# Altium PCB PCB1.PcbDoc (part 1 of 4)
Units mil, origin at the board's own origin, x right, y up, seen from the top; angles counter-clockwise.
Board outline 6000 x 4000 mil, 2 copper layers (Top Layer, Bottom Layer); 926 components, 952 nets, 4644 pads, 239 vias.
Unrouted connection lines stored in the file: 3361.
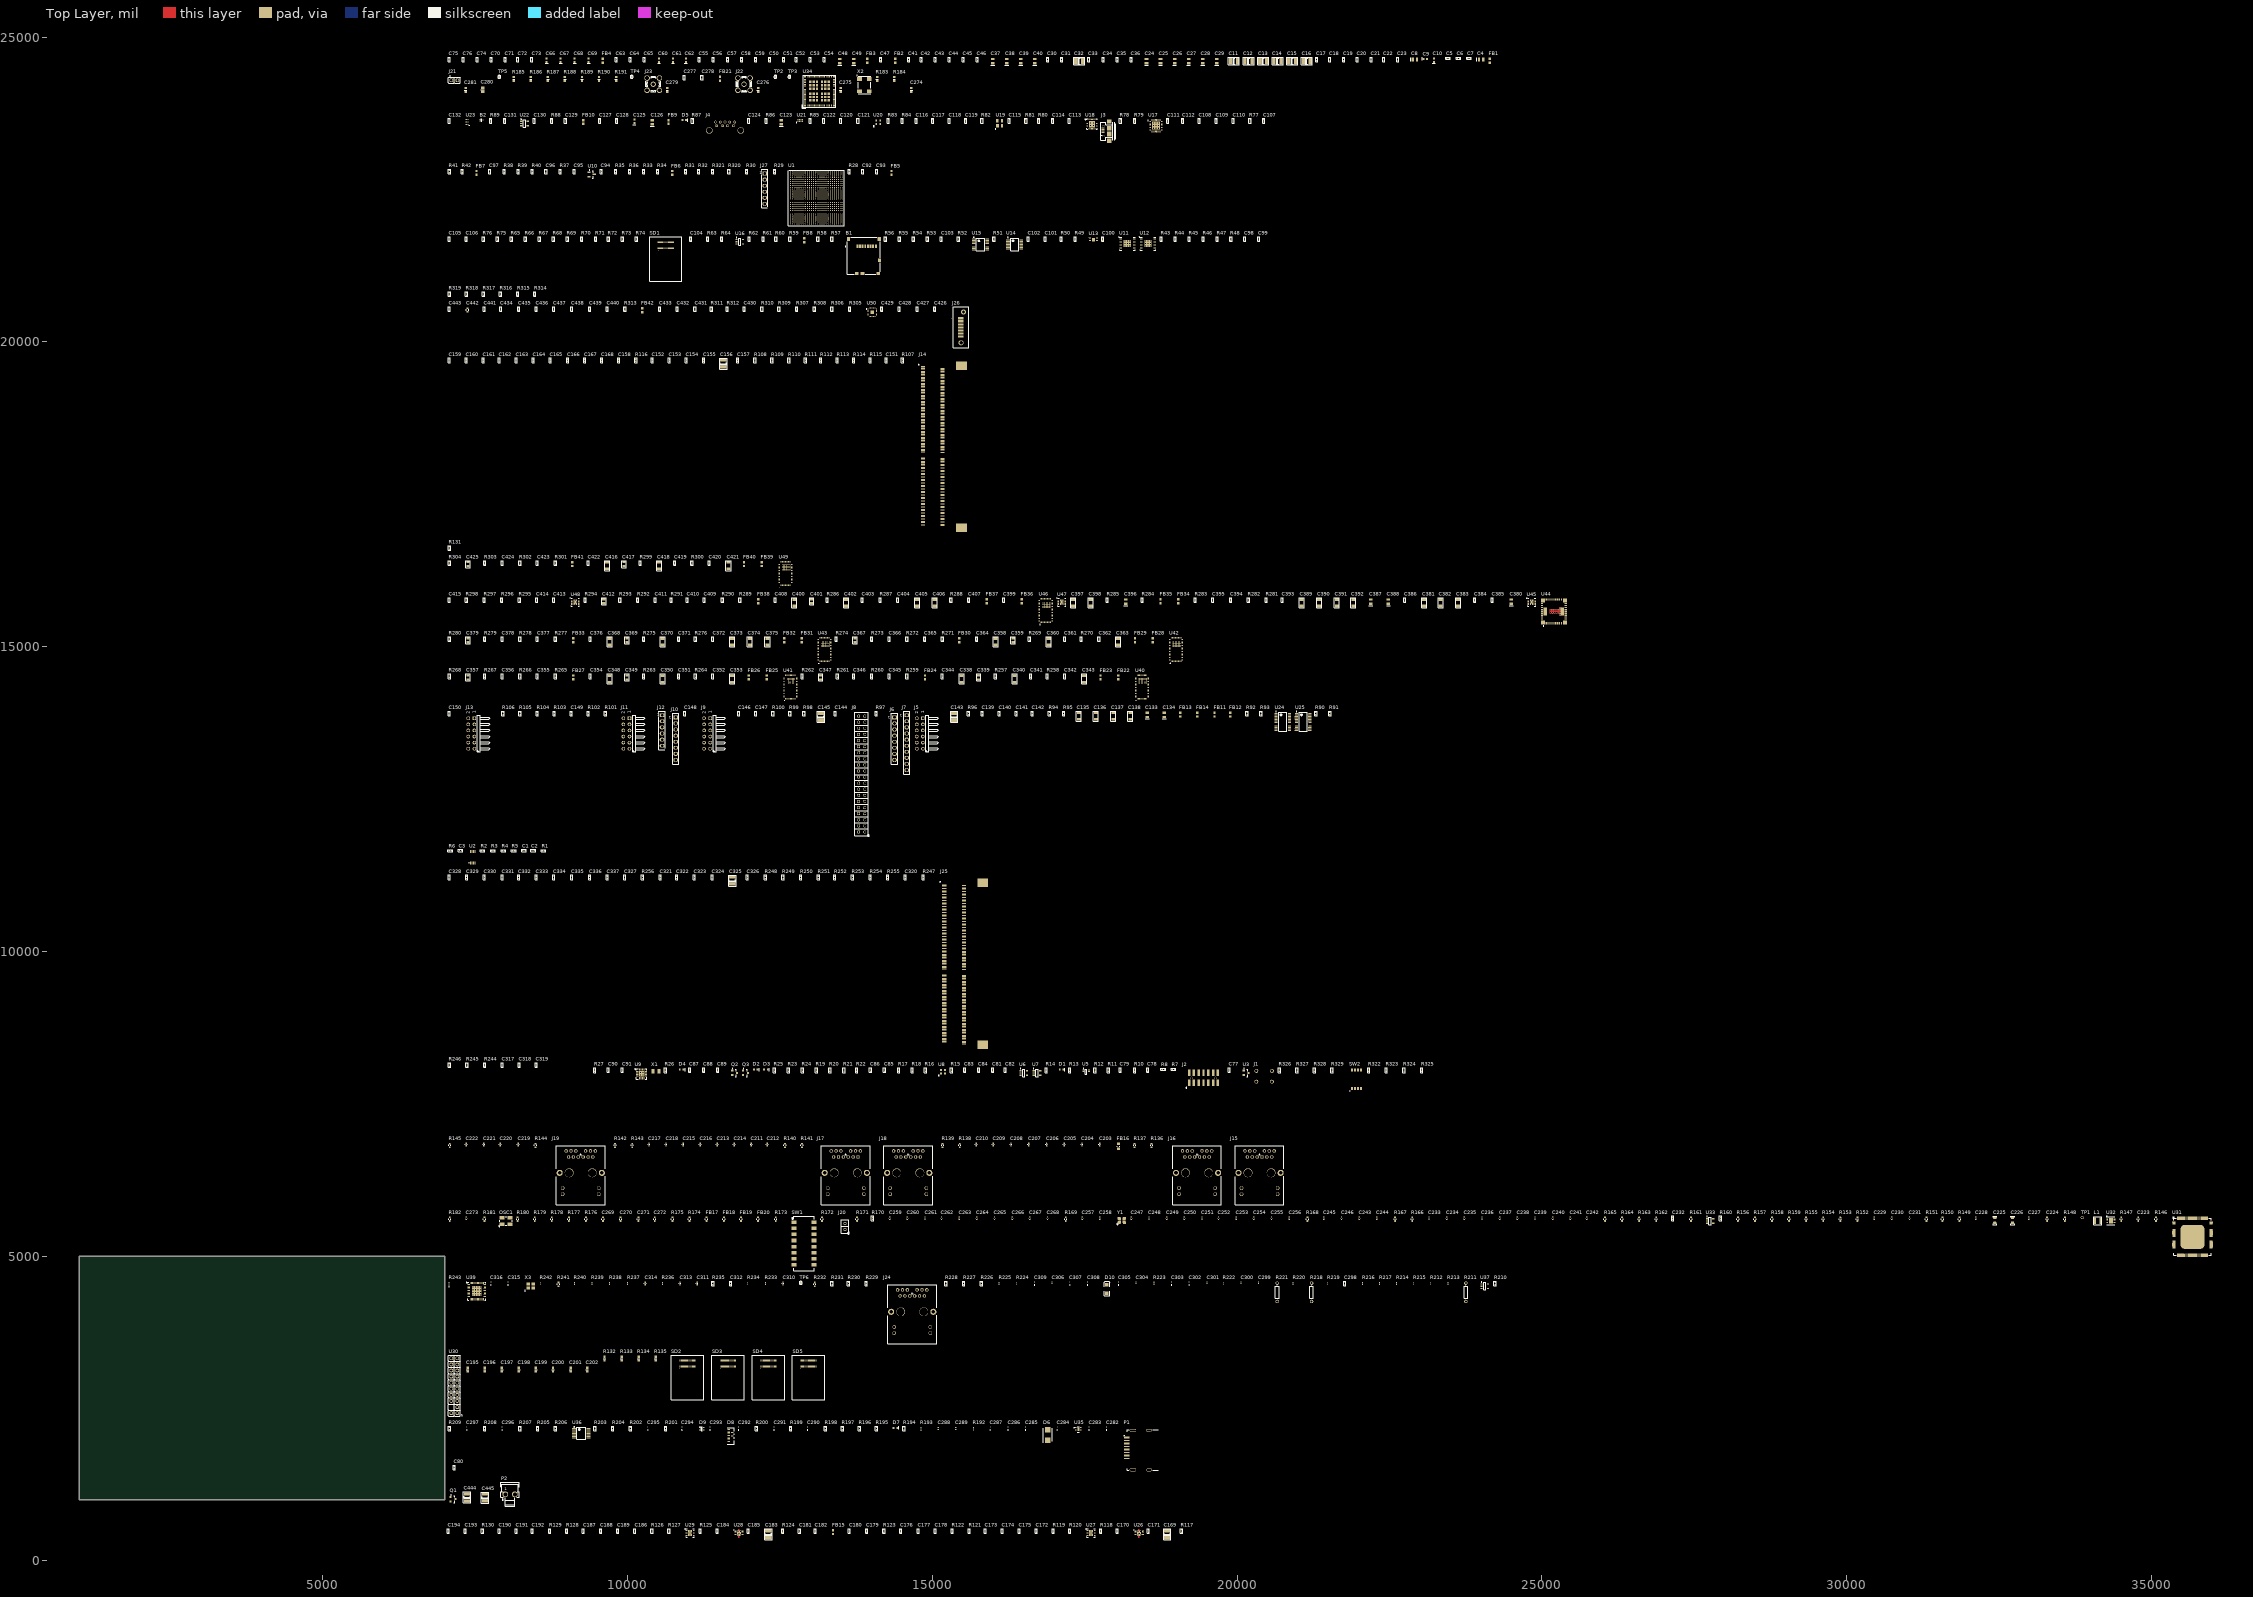
[diagram p0: Top Layer view]
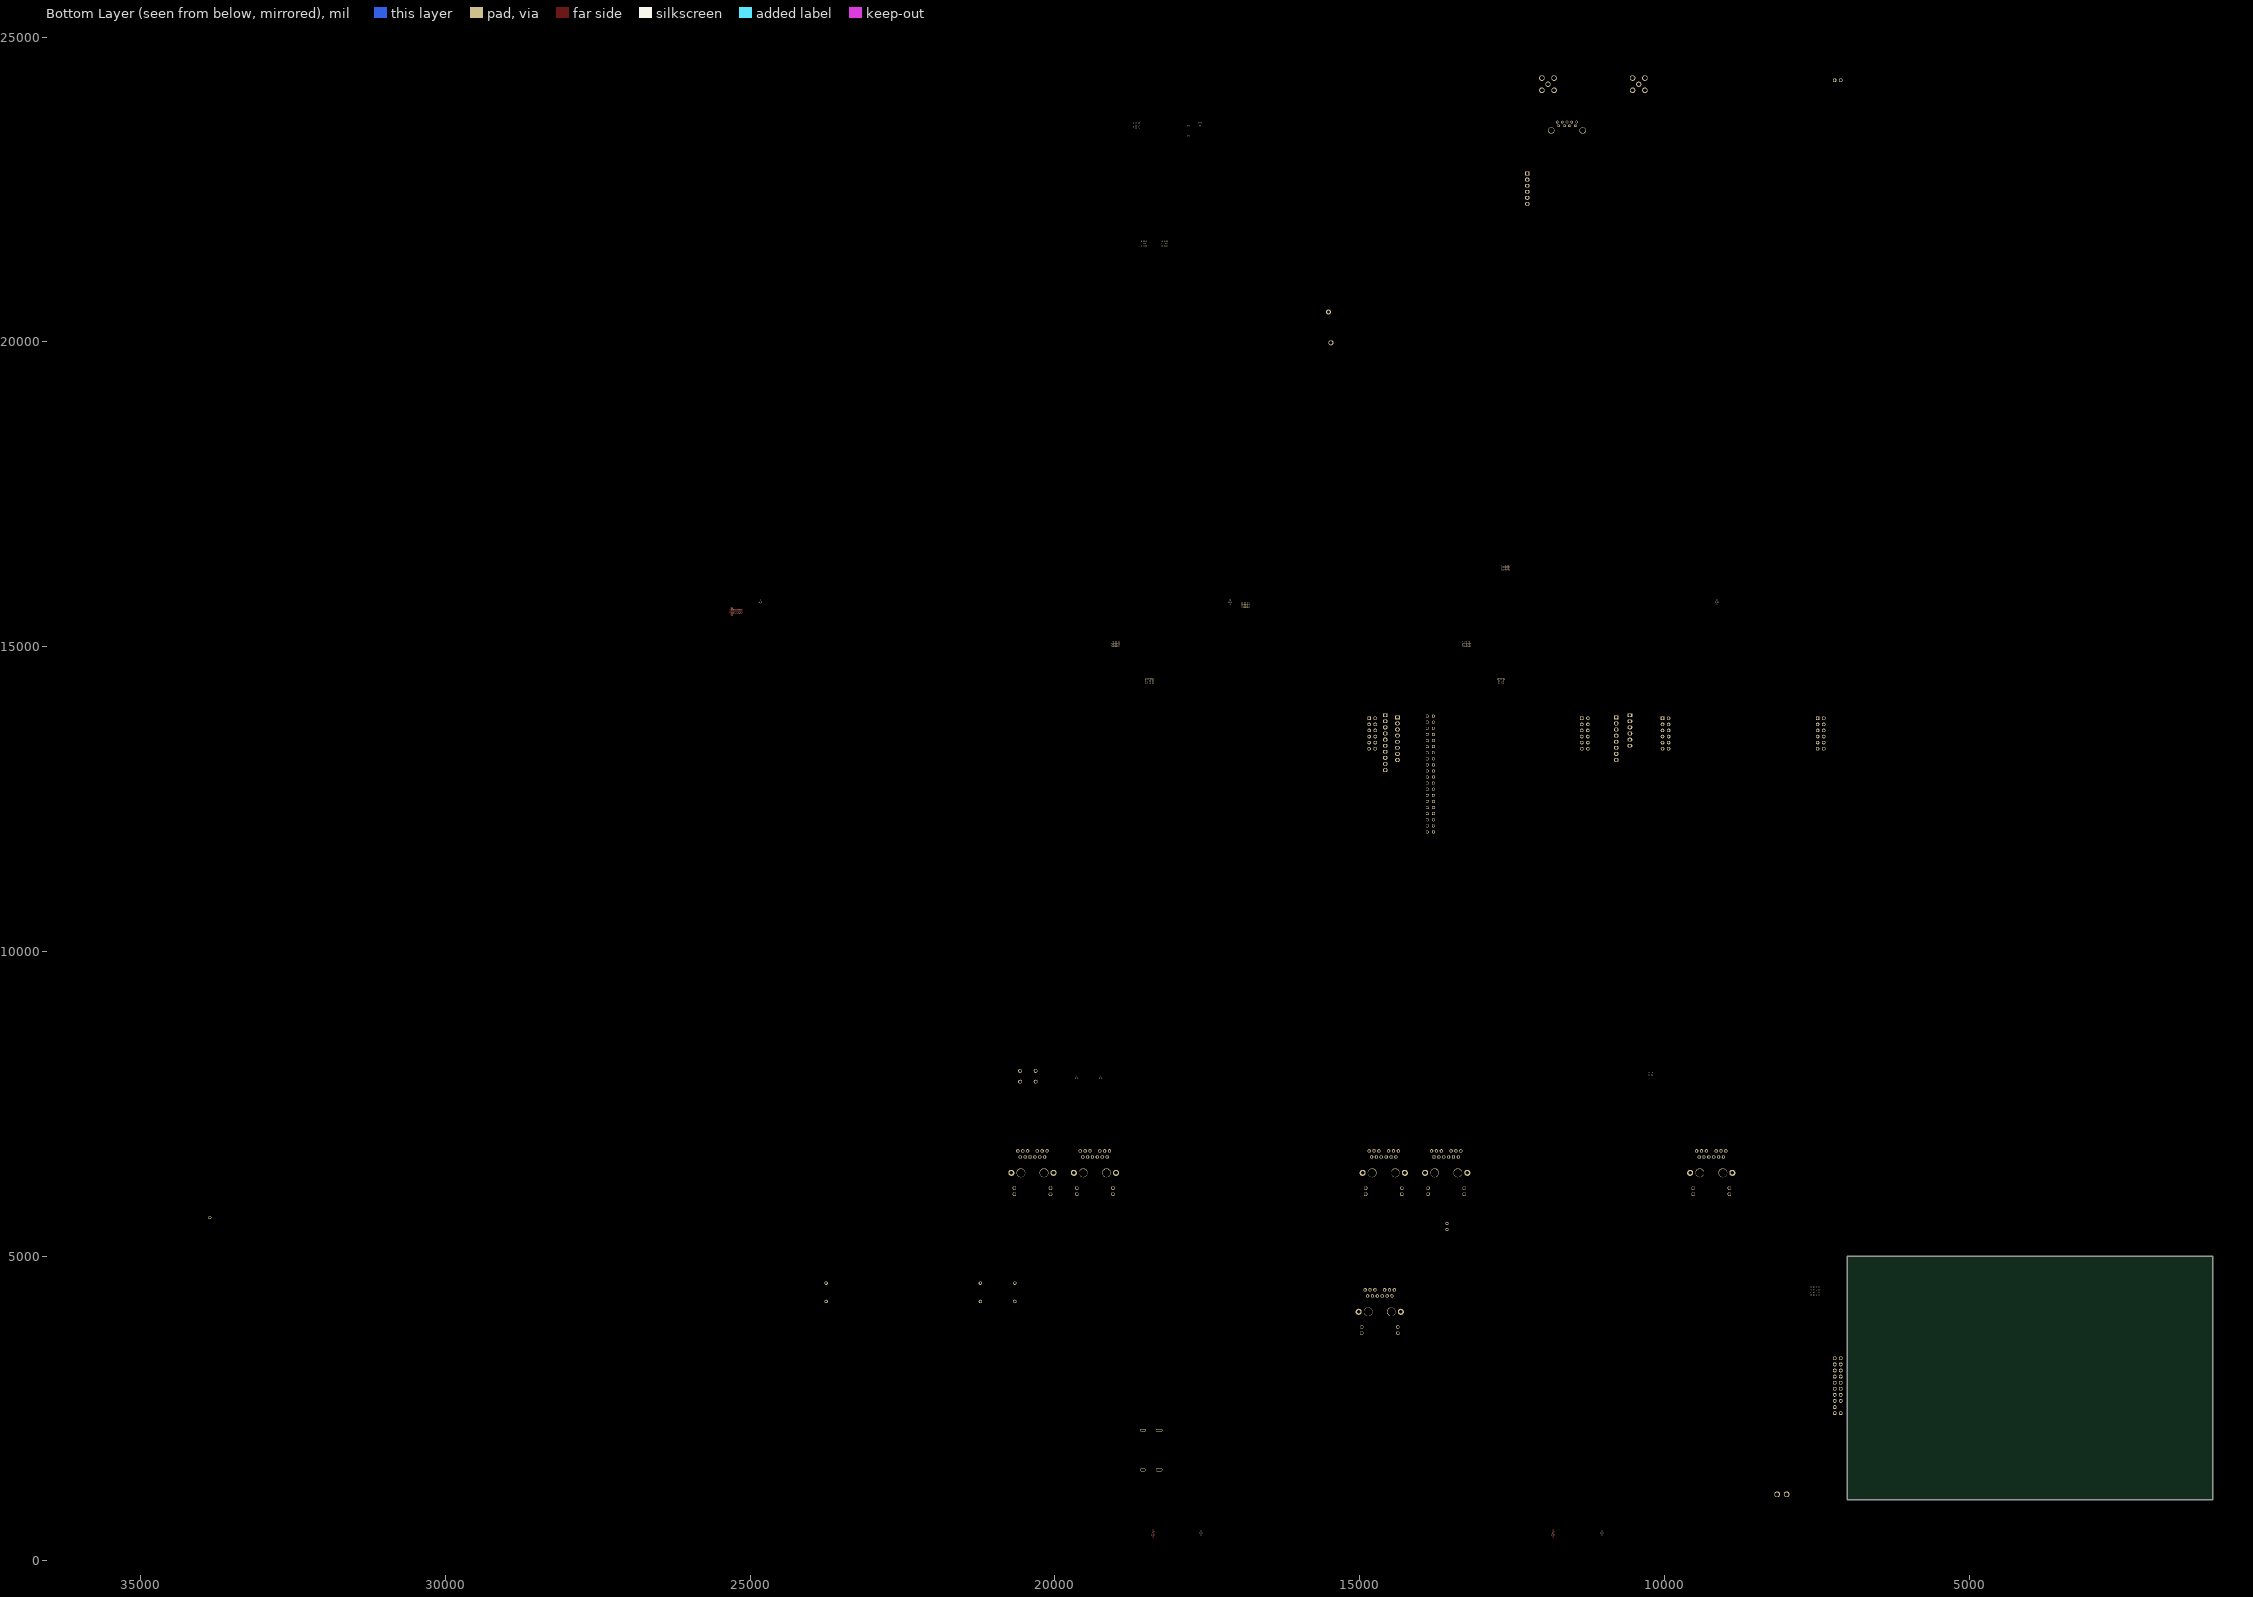
[diagram p1: Bottom Layer view, seen from below]

## Layer stack, top to bottom
Top Solder: solder mask 0.4, Solder Resist, Dk 3.5
Top Layer: signal copper 1.4
Dielectric 1: dielectric 12.6, FR-4, Dk 4.8
Bottom Layer: signal copper 1.4
Bottom Solder: solder mask 0.4, Solder Resist, Dk 3.5

## Board outline
1000,1000 7000,1000 7000,5000 1000,5000

## Design rules (kind name [scope] priority, off if disabled: settings)
Clearance [All] p1: gap=10
DiffPairsRouting [All] p1: maxlimit=10 minlimit=10 mostfreqgap=10 toplayer_minwidth=15 toplayer_maxwidth=15 toplayer_prefwidth=15 bottomlayer_minwidth=15 bottomlayer_maxwidth=15 bottomlayer_prefwidth=15 maxuncoupledlength=500
PolygonConnect [All] p1: connectstyle=Relief reliefconductorwidth=10 reliefentries=4 polygonreliefangle="90 Angle" airgapwidth=10
RoomDefinition JTAG [InComponentClass('JTAG')] p1: confinementstyle=ConfineIn formatcopy=TRUE lockcomponents=FALSE outline 9430,7185 23255,7185 23255,8195 9430,8195
RoomDefinition Zynq_Power [InComponentClass('Zynq_Power')] p2: confinementstyle=ConfineIn formatcopy=TRUE lockcomponents=FALSE outline 7045,24535 24285,24535 24285,24780 7045,24780
RoomDefinition WIFI_BT [InComponentClass('WIFI_BT')] p3: confinementstyle=ConfineIn formatcopy=TRUE lockcomponents=FALSE outline 7045,23825 14870,23825 14870,24485 7045,24485
RoomDefinition USB3.0_UART [InComponentClass('USB3.0_UART')] p4: confinementstyle=ConfineIn formatcopy=TRUE lockcomponents=FALSE outline 7045,22990 20660,22990 20660,23775 7045,23775
RoomDefinition SYSMON [InComponentClass('SYSMON')] p5: confinementstyle=ConfineIn formatcopy=TRUE lockcomponents=FALSE outline 7045,21890 14490,21890 14490,22940 7045,22940
RoomDefinition QSPI_EMMC_MICROSD [InComponentClass('QSPI_EMMC_MICROSD')] p6: confinementstyle=ConfineIn formatcopy=TRUE lockcomponents=FALSE outline 7045,20980 20530,20980 20530,21835 7045,21835
RoomDefinition PS_MIO [InComponentClass('PS_MIO')] p7: confinementstyle=ConfineIn formatcopy=TRUE lockcomponents=FALSE outline 7045,20740 8690,20740 8690,20930 7045,20930
RoomDefinition PS_GTR [InComponentClass('PS_GTR')] p8: confinementstyle=ConfineIn formatcopy=TRUE lockcomponents=FALSE outline 7045,19900 15605,19900 15605,20685 7045,20685
RoomDefinition PS_DDR4_SODIMM [InComponentClass('PS_DDR4_SODIMM')] p9: confinementstyle=ConfineIn formatcopy=TRUE lockcomponents=FALSE outline 7045,16815 15855,16815 15855,19845 7045,19845
RoomDefinition PS_DDR4 [InComponentClass('PS_DDR4')] p10: confinementstyle=ConfineIn formatcopy=TRUE lockcomponents=FALSE outline 7045,16575 7270,16575 7270,16765 7045,16765
RoomDefinition Power4 [InComponentClass('Power4')] p11: confinementstyle=ConfineIn formatcopy=TRUE lockcomponents=FALSE outline 7045,15960 12725,15960 12725,16520 7045,16520
RoomDefinition Power3 [InComponentClass('Power3')] p12: confinementstyle=ConfineIn formatcopy=TRUE lockcomponents=FALSE outline 7045,15320 25430,15320 25430,15910 7045,15910
RoomDefinition Power2 [InComponentClass('Power2')] p13: confinementstyle=ConfineIn formatcopy=TRUE lockcomponents=FALSE outline 7045,14710 19135,14710 19135,15270 7045,15270
RoomDefinition Power1 [InComponentClass('Power1')] p14: confinementstyle=ConfineIn formatcopy=TRUE lockcomponents=FALSE outline 7045,14100 18575,14100 18575,14660 7045,14660
RoomDefinition PMOD_ARD_RASP [InComponentClass('PMOD_ARD_RASP')] p15: confinementstyle=ConfineIn formatcopy=TRUE lockcomponents=FALSE outline 7045,11830 21670,11830 21670,14050 7045,14050
RoomDefinition PL_IO [InComponentClass('PL_IO')] p16: confinementstyle=ConfineIn formatcopy=TRUE lockcomponents=FALSE outline 7045,11410 8690,11410 8690,11780 7045,11780
RoomDefinition PL_DDR4_SODIMM [InComponentClass('PL_DDR4_SODIMM')] p17: confinementstyle=ConfineIn formatcopy=TRUE lockcomponents=FALSE outline 7045,8330 16205,8330 16205,11360 7045,11360
RoomDefinition PL_DDR4 [InComponentClass('PL_DDR4')] p18: confinementstyle=ConfineIn formatcopy=TRUE lockcomponents=FALSE outline 7045,8090 8720,8090 8720,8280 7045,8280
RoomDefinition Eth_Switch_RJ45 [InComponentClass('Eth_Switch_RJ45')] p19: confinementstyle=ConfineIn formatcopy=TRUE lockcomponents=FALSE outline 7045,5815 20865,5815 20865,6975 7045,6975
RoomDefinition Eth_Switch [InComponentClass('Eth_Switch')] p20: confinementstyle=ConfineIn formatcopy=TRUE lockcomponents=FALSE outline 7045,4745 36030,4745 36030,5765 7045,5765
RoomDefinition ETH-PHY [InComponentClass('ETH-PHY')] p21: confinementstyle=ConfineIn formatcopy=TRUE lockcomponents=FALSE outline 7045,3535 24450,3535 24450,4695 7045,4695
RoomDefinition eMMC_TPM [InComponentClass('eMMC_TPM')] p22: confinementstyle=ConfineIn formatcopy=TRUE lockcomponents=FALSE outline 7045,2360 13320,2360 13320,3485 7045,3485
RoomDefinition DisplayPort [InComponentClass('DisplayPort')] p23: confinementstyle=ConfineIn formatcopy=TRUE lockcomponents=FALSE outline 7045,1415 18780,1415 18780,2315 7045,2315
RoomDefinition DDR4_SODIMM_PWR [InComponentClass('DDR4_SODIMM_PWR')] p24: confinementstyle=ConfineIn formatcopy=TRUE lockcomponents=FALSE outline 7030,334.69 19295,334.69 19295,634.68 7030,634.68
RoutingVias [All] p1: holewidth=28 width=50 viastyle="Through Hole" minholewidth=28 minwidth=50 maxholewidth=28 maxwidth=50
SolderMaskExpansion [All] p1: expansion=4
Width [All] p1: maxlimit=10 minlimit=10 preferedwidth=10
29 further rules are at their usual default settings.

## Classes and differential pairs
net class WL_SDIO: WL_SDIO_CLK WL_SDIO_CMD WL_SDIO_D0 WL_SDIO_D1 WL_SDIO_D2 WL_SDIO_D3 WLAN_IRQ
net class SD4: RCLK4 SD4CLK SD4CMD SD4DATA0 SD4DATA1 SD4DATA2 SD4DATA3 SD4DATA4 SD4DATA5 SD4DATA6 SD4DATA7 SD4RESET
net class SD3: RCLK3 SD3CLK SD3CMD SD3DATA0 SD3DATA1 SD3DATA2 SD3DATA3 SD3DATA4 SD3DATA5 SD3DATA6 SD3DATA7 SD3RESET
net class SD2: RCLK2 SD2CLK SD2CMD SD2DATA0 SD2DATA1 SD2DATA2 SD2DATA3 SD2DATA4 SD2DATA5 SD2DATA6 SD2DATA7 SD2RESET
net class SD1: RCLK1 SD1CLK SD1CMD SD1DATA0 SD1DATA1 SD1DATA2 SD1DATA3 SD1DATA4 SD1DATA5 SD1DATA6 SD1DATA7 SD1RESET
net class RF: NetC276_1 NetC276_2 NetC279_1 NetC279_2
net class "Power (VBUS)": 1V2_ETH 1V2OUT AVDDH2V5 AVDDL1V2 EARTH_ETH VDDHS2V5 VDDLS1V2
net class Enet: P1_TXRXA_N P1_TXRXA_P P1_TXRXB_N P1_TXRXB_P P1_TXRXC_N P1_TXRXC_P P1_TXRXD_N P1_TXRXD_P P2_TXRXA_N P2_TXRXA_P P2_TXRXB_N P2_TXRXB_P P2_TXRXC_N P2_TXRXC_P P2_TXRXD_N P2_TXRXD_P P3_TXRXA_N P3_TXRXA_P P3_TXRXB_N P3_TXRXB_P P3_TXRXC_N P3_TXRXC_P P3_TXRXD_N P3_TXRXD_P P4_TXRXA_N P4_TXRXA_P P4_TXRXB_N P4_TXRXB_P P4_TXRXC_N P4_TXRXC_P P4_TXRXD_N P4_TXRXD_P P5_TXRXA_N P5_TXRXA_P P5_TXRXB_N P5_TXRXB_P P5_TXRXC_N P5_TXRXC_P P5_TXRXD_N P5_TXRXD_P
net class Enet5.: P5_TXRXA_N P5_TXRXA_P P5_TXRXB_N P5_TXRXB_P P5_TXRXC_N P5_TXRXC_P P5_TXRXD_N P5_TXRXD_P
net class Enet4.: P4_TXRXA_N P4_TXRXA_P P4_TXRXB_N P4_TXRXB_P P4_TXRXC_N P4_TXRXC_P P4_TXRXD_N P4_TXRXD_P
net class Enet3.: P3_TXRXA_N P3_TXRXA_P P3_TXRXB_N P3_TXRXB_P P3_TXRXC_N P3_TXRXC_P P3_TXRXD_N P3_TXRXD_P
net class Enet2.: P2_TXRXA_N P2_TXRXA_P P2_TXRXB_N P2_TXRXB_P P2_TXRXC_N P2_TXRXC_P P2_TXRXD_N P2_TXRXD_P
net class Enet1.: P1_TXRXA_N P1_TXRXA_P P1_TXRXB_N P1_TXRXB_P P1_TXRXC_N P1_TXRXC_P P1_TXRXD_N P1_TXRXD_P
net class eMMC: EMMC0_CLK EMMC0_RCLK MIO13_EMMC0_IO0 MIO14_EMMC0_IO1 MIO15_EMMC0_IO2 MIO16_EMMC0_IO3 MIO17_EMMC0_IO4 MIO18_EMMC0_IO5 MIO19_EMMC0_IO6 MIO20_EMMC0_IO7 MIO21_EMMC0_CMD P0_EMMC0_RST_N
net class BLU_SPI: BT_EN_SOC BT_HCI_CTS BT_HCI_RTS BT_HCI_RX BT_HCI_TX WLAN_EN_SOC
component class Zynq_Power: C4 C5 C6 C7 C8 C9 C10 C11 C12 C13 C14 C15 C16 C17 C18 C19 C20 C21 C22 C23 C24 C25 C26 C27 C28 C29 C30 C31 C32 C33 C34 C35 C36 C37 C38 C39 C40 C41 C42 C43 C44 C45 C46 C47 C48 C49 C50 C51 C52 C53 C54 C55 C56 C57 C58 C59 C60 C61 C62 C63 C64 C65 C66 C67 C68 C69 C70 C71 C72 C73 C74 C75 C76 FB1 FB2 FB3 FB4
component class WIFI_BT: C274 C275 C276 C277 C278 C279 C280 C281 FB21 J21 J22 J23 R183 R184 R185 R186 R187 R188 R189 R190 R191 TP2 TP3 TP4 TP5 U34 X2
component class USB3.0_UART: B2 C107 C108 C109 C110 C111 C112 C113 C114 C115 C116 C117 C118 C119 C120 C121 C122 C123 C124 C125 C126 C127 C128 C129 C130 C131 C132 D5 FB9 FB10 J3 J4 R77 R78 R79 R80 R81 R82 R83 R84 R85 R86 R87 R88 R89 U17 U18 U19 U20 U21 U22 U23
component class SYSMON: C92 C93 C94 C95 C96 C97 FB5 FB6 FB7 J27 R28 R29 R30 R31 R32 R33 R34 R35 R36 R37 R38 R39 R40 R41 R42 R320 R321 U1 U10
component class QSPI_EMMC_MICROSD: B1 C98 C99 C100 C101 C102 C103 C104 C105 C106 FB8 R43 R44 R45 R46 R47 R48 R49 R50 R51 R52 R53 R54 R55 R56 R57 R58 R59 R60 R61 R62 R63 R64 R65 R66 R67 R68 R69 R70 R71 R72 R73 R74 R75 R76 SD1 U11 U12 U13 U14 U15 U16
component class PS_MIO: R314 R315 R316 R317 R318 R319
component class PS_GTR: C426 C427 C428 C429 C430 C431 C432 C433 C434 C435 C436 C437 C438 C439 C440 C441 C442 C443 FB42 J26 R305 R306 R307 R308 R309 R310 R311 R312 R313 U50
component class PS_DDR4: R131
component class PS_DDR4_SODIMM: C151 C152 C153 C154 C155 C156 C157 C158 C159 C160 C161 C162 C163 C164 C165 C166 C167 C168 J14 R107 R108 R109 R110 R111 R112 R113 R114 R115 R116
component class Power4: C416 C417 C418 C419 C420 C421 C422 C423 C424 C425 FB39 FB40 FB41 R299 R300 R301 R302 R303 R304 U49
component class Power3: C80 C380 C381 C382 C383 C384 C385 C386 C387 C388 C389 C390 C391 C392 C393 C394 C395 C396 C397 C398 C399 C400 C401 C402 C403 C404 C405 C406 C407 C408 C409 C410 C411 C412 C413 C414 C415 C444 C445 FB34 FB35 FB36 FB37 FB38 P2 R281 R282 R283 R284 R285 R286 R287 R288 R289 R290 R291 R292 R293 R294 R295 R296 R297 R298 U44 U45 U46 U47 U48
component class Power2: C358 C359 C360 C361 C362 C363 C364 C365 C366 C367 C368 C369 C370 C371 C372 C373 C374 C375 C376 C377 C378 C379 FB28 FB29 FB30 FB31 FB32 FB33 R269 R270 R271 R272 R273 R274 R275 R276 R277 R278 R279 R280 U42 U43
component class Power1: C338 C339 C340 C341 C342 C343 C344 C345 C346 C347 C348 C349 C350 C351 C352 C353 C354 C355 C356 C357 FB22 FB23 FB24 FB25 FB26 FB27 R257 R258 R259 R260 R261 R262 R263 R264 R265 R266 R267 R268 U40 U41
component class PMOD_ARD_RASP: C133 C134 C135 C136 C137 C138 C139 C140 C141 C142 C143 C144 C145 C146 C147 C148 C149 C150 FB11 FB12 FB13 FB14 J5 J6 J7 J8 J9 J10 J11 J12 J13 R90 R91 R92 R93 R94 R95 R96 R97 R98 R99 R100 R101 R102 R103 R104 R105 R106 U24 U25
component class PL_IO: C1 C2 C3 R1 R2 R3 R4 R5 R6 U2
component class PL_DDR4: C317 C318 C319 R244 R245 R246
component class PL_DDR4_SODIMM: C320 C321 C322 C323 C324 C325 C326 C327 C328 C329 C330 C331 C332 C333 C334 C335 C336 C337 J25 R247 R248 R249 R250 R251 R252 R253 R254 R255 R256
component class Eth_Switch: C223 C224 C225 C226 C227 C228 C229 C230 C231 C232 C233 C234 C235 C236 C237 C238 C239 C240 C241 C242 C243 C244 C245 C246 C247 C248 C249 C250 C251 C252 C253 C254 C255 C256 C257 C258 C259 C260 C261 C262 C263 C264 C265 C266 C267 C268 C269 C270 C271 C272 C273 FB17 FB18 FB19 FB20 J20 L1 OSC1 R146 R147 R148 R149 R150 R151 R152 R153 R154 R155 R156 R157 R158 R159 R160 R161 R162 R163 R164 R165 R166 R167 R168 R169 R170 R171 R172 R173 R174 R175 R176 R177 R178 R179 R180 R181 R182 SW1 TP1 U31 U32 U33 Y1
component class Eth_Switch_RJ45: C203 C204 C205 C206 C207 C208 C209 C210 C211 C212 C213 C214 C215 C216 C217 C218 C219 C220 C221 C222 FB16 J15 J16 J17 J18 J19 R136 R137 R138 R139 R140 R141 R142 R143 R144 R145
component class ETH-PHY: C298 C299 C300 C301 C302 C303 C304 C305 C306 C307 C308 C309 C310 C311 C312 C313 C314 C315 C316 D10 J24 Q1 R210 R211 R212 R213 R214 R215 R216 R217 R218 R219 R220 R221 R222 R223 R224 R225 R226 R227 R228 R229 R230 R231 R232 R233 R234 R235 R236 R237 R238 R239 R240 R241 R242 R243 TP6 U37 U38 U39 X3
component class eMMC_TPM: C195 C196 C197 C198 C199 C200 C201 C202 R132 R133 R134 R135 SD2 SD3 SD4 SD5 U30
component class DisplayPort: C282 C283 C284 C285 C286 C287 C288 C289 C290 C291 C292 C293 C294 C295 C296 C297 D6 D7 D8 D9 P1 R192 R193 R194 R195 R196 R197 R198 R199 R200 R201 R202 R203 R204 R205 R206 R207 R208 R209 U35 U36
component class DDR4_SODIMM_PWR: C169 C170 C171 C172 C173 C174 C175 C176 C177 C178 C179 C180 C181 C182 C183 C184 C185 C186 C187 C188 C189 C190 C191 C192 C193 C194 FB15 R117 R118 R119 R120 R121 R122 R123 R124 R125 R126 R127 R128 R129 R130 U26 U27 U28 U29
component class JTAG: C77 C78 C79 C81 C82 C83 C84 C85 C86 C87 C88 C89 C90 C91 D1 D2 D3 D4 J1 J2 Q2 Q3 R7 R8 R10 R11 R12 R13 R14 R15 R16 R17 R18 R19 R20 R21 R22 R23 R24 R25 R26 R27 R322 R323 R324 R325 R326 R327 R328 R329 SW2 U3 U5 U6 U7 U8 U9 X1
differential pair V: +V_P -V_N
differential pair USB_OTG: +USB_OTG_P -USB_OTG_N
differential pair USB3_TX0: +USB3_TX0_P -USB3_TX0_N
differential pair SYSMON_V: +SYSMON_V_P -SYSMON_V_N
differential pair SYSMON_VR: +SYSMON_VR_P -SYSMON_VR_N
differential pair SYSMON_VR_I2C: +SYSMON_VR_I2C_P -SYSMON_VR_I2C_N
differential pair SYSMON_DX: +SYSMON_DX_P -SYSMON_DX_N
differential pair S_TX: +S_TX_P -S_TX_N
differential pair S_RX: +S_RX_P -S_RX_N
differential pair PL_SYSCLK: +PL_SYSCLK_P -PL_SYSCLK_N
differential pair P5_TXRXD: +P5_TXRXD_P -P5_TXRXD_N
differential pair P5_TXRXC: +P5_TXRXC_P -P5_TXRXC_N
differential pair P5_TXRXB: +P5_TXRXB_P -P5_TXRXB_N
differential pair P5_TXRXA: +P5_TXRXA_P -P5_TXRXA_N
differential pair P4_TXRXD: +P4_TXRXD_P -P4_TXRXD_N
differential pair P4_TXRXC: +P4_TXRXC_P -P4_TXRXC_N
differential pair P4_TXRXB: +P4_TXRXB_P -P4_TXRXB_N
differential pair P4_TXRXA: +P4_TXRXA_P -P4_TXRXA_N
differential pair P3_TXRXD: +P3_TXRXD_P -P3_TXRXD_N
differential pair P3_TXRXC: +P3_TXRXC_P -P3_TXRXC_N
differential pair P3_TXRXB: +P3_TXRXB_P -P3_TXRXB_N
differential pair P3_TXRXA: +P3_TXRXA_P -P3_TXRXA_N
differential pair P2_TXRXD: +P2_TXRXD_P -P2_TXRXD_N
differential pair P2_TXRXC: +P2_TXRXC_P -P2_TXRXC_N
differential pair P2_TXRXB: +P2_TXRXB_P -P2_TXRXB_N
differential pair P2_TXRXA: +P2_TXRXA_P -P2_TXRXA_N
differential pair P1_TXRXD: +P1_TXRXD_P -P1_TXRXD_N
differential pair P1_TXRXC: +P1_TXRXC_P -P1_TXRXC_N
differential pair P1_TXRXB: +P1_TXRXB_P -P1_TXRXB_N
differential pair P1_TXRXA: +P1_TXRXA_P -P1_TXRXA_N
differential pair GTR_TX3: +GTR_TX3_P -GTR_TX3_N
differential pair GTR_TX2: +GTR_TX2_P -GTR_TX2_N
differential pair GTR_TX1: +GTR_TX1_P -GTR_TX1_N
differential pair GTR_TX0: +GTR_TX0_P -GTR_TX0_N
differential pair GTR_RX1: +GTR_RX1_P -GTR_RX1_N
differential pair GTR_RX0: +GTR_RX0_P -GTR_RX0_N
differential pair GTR_REFCLK3: +GTR_REFCLK3_P -GTR_REFCLK3_N
differential pair GTR_REFCLK3_C: +GTR_REFCLK3_C_P -GTR_REFCLK3_C_N
differential pair GTR_REFCLK1: +GTR_REFCLK1_P -GTR_REFCLK1_N
differential pair GTR_REFCLK1_C: +GTR_REFCLK1_C_P -GTR_REFCLK1_C_N
differential pair GTR_REFCLK0: +GTR_REFCLK0_P -GTR_REFCLK0_N
differential pair GTR_REFCLK0_C: +GTR_REFCLK0_C_P -GTR_REFCLK0_C_N
differential pair ETH_MD4: +ETH_MD4_P -ETH_MD4_N
differential pair ETH_MD3: +ETH_MD3_P -ETH_MD3_N
differential pair ETH_MD2: +ETH_MD2_P -ETH_MD2_N
differential pair ETH_MD1: +ETH_MD1_P -ETH_MD1_N
differential pair DPAUX_C: +DPAUX_C_P -DPAUX_C_N
differential pair DP_TX3: +DP_TX3_P -DP_TX3_N
differential pair DP_TX2: +DP_TX2_P -DP_TX2_N
